# Altium PCB MainBoard_Layout_V2.PcbDoc (part 2 of 4)
Units mil, origin at the board's own origin, x right, y up, seen from the top; angles counter-clockwise.
Board outline 6119.77 x 4182.8 mil, 4 copper layers (Top Layer 1, Top Layer, Bottom Layer, Bottom Layer 1), stack 19.156 mil thick; 239 components, 227 nets, 1028 pads, 670 vias.
Unrouted connection lines stored in the file: 2.
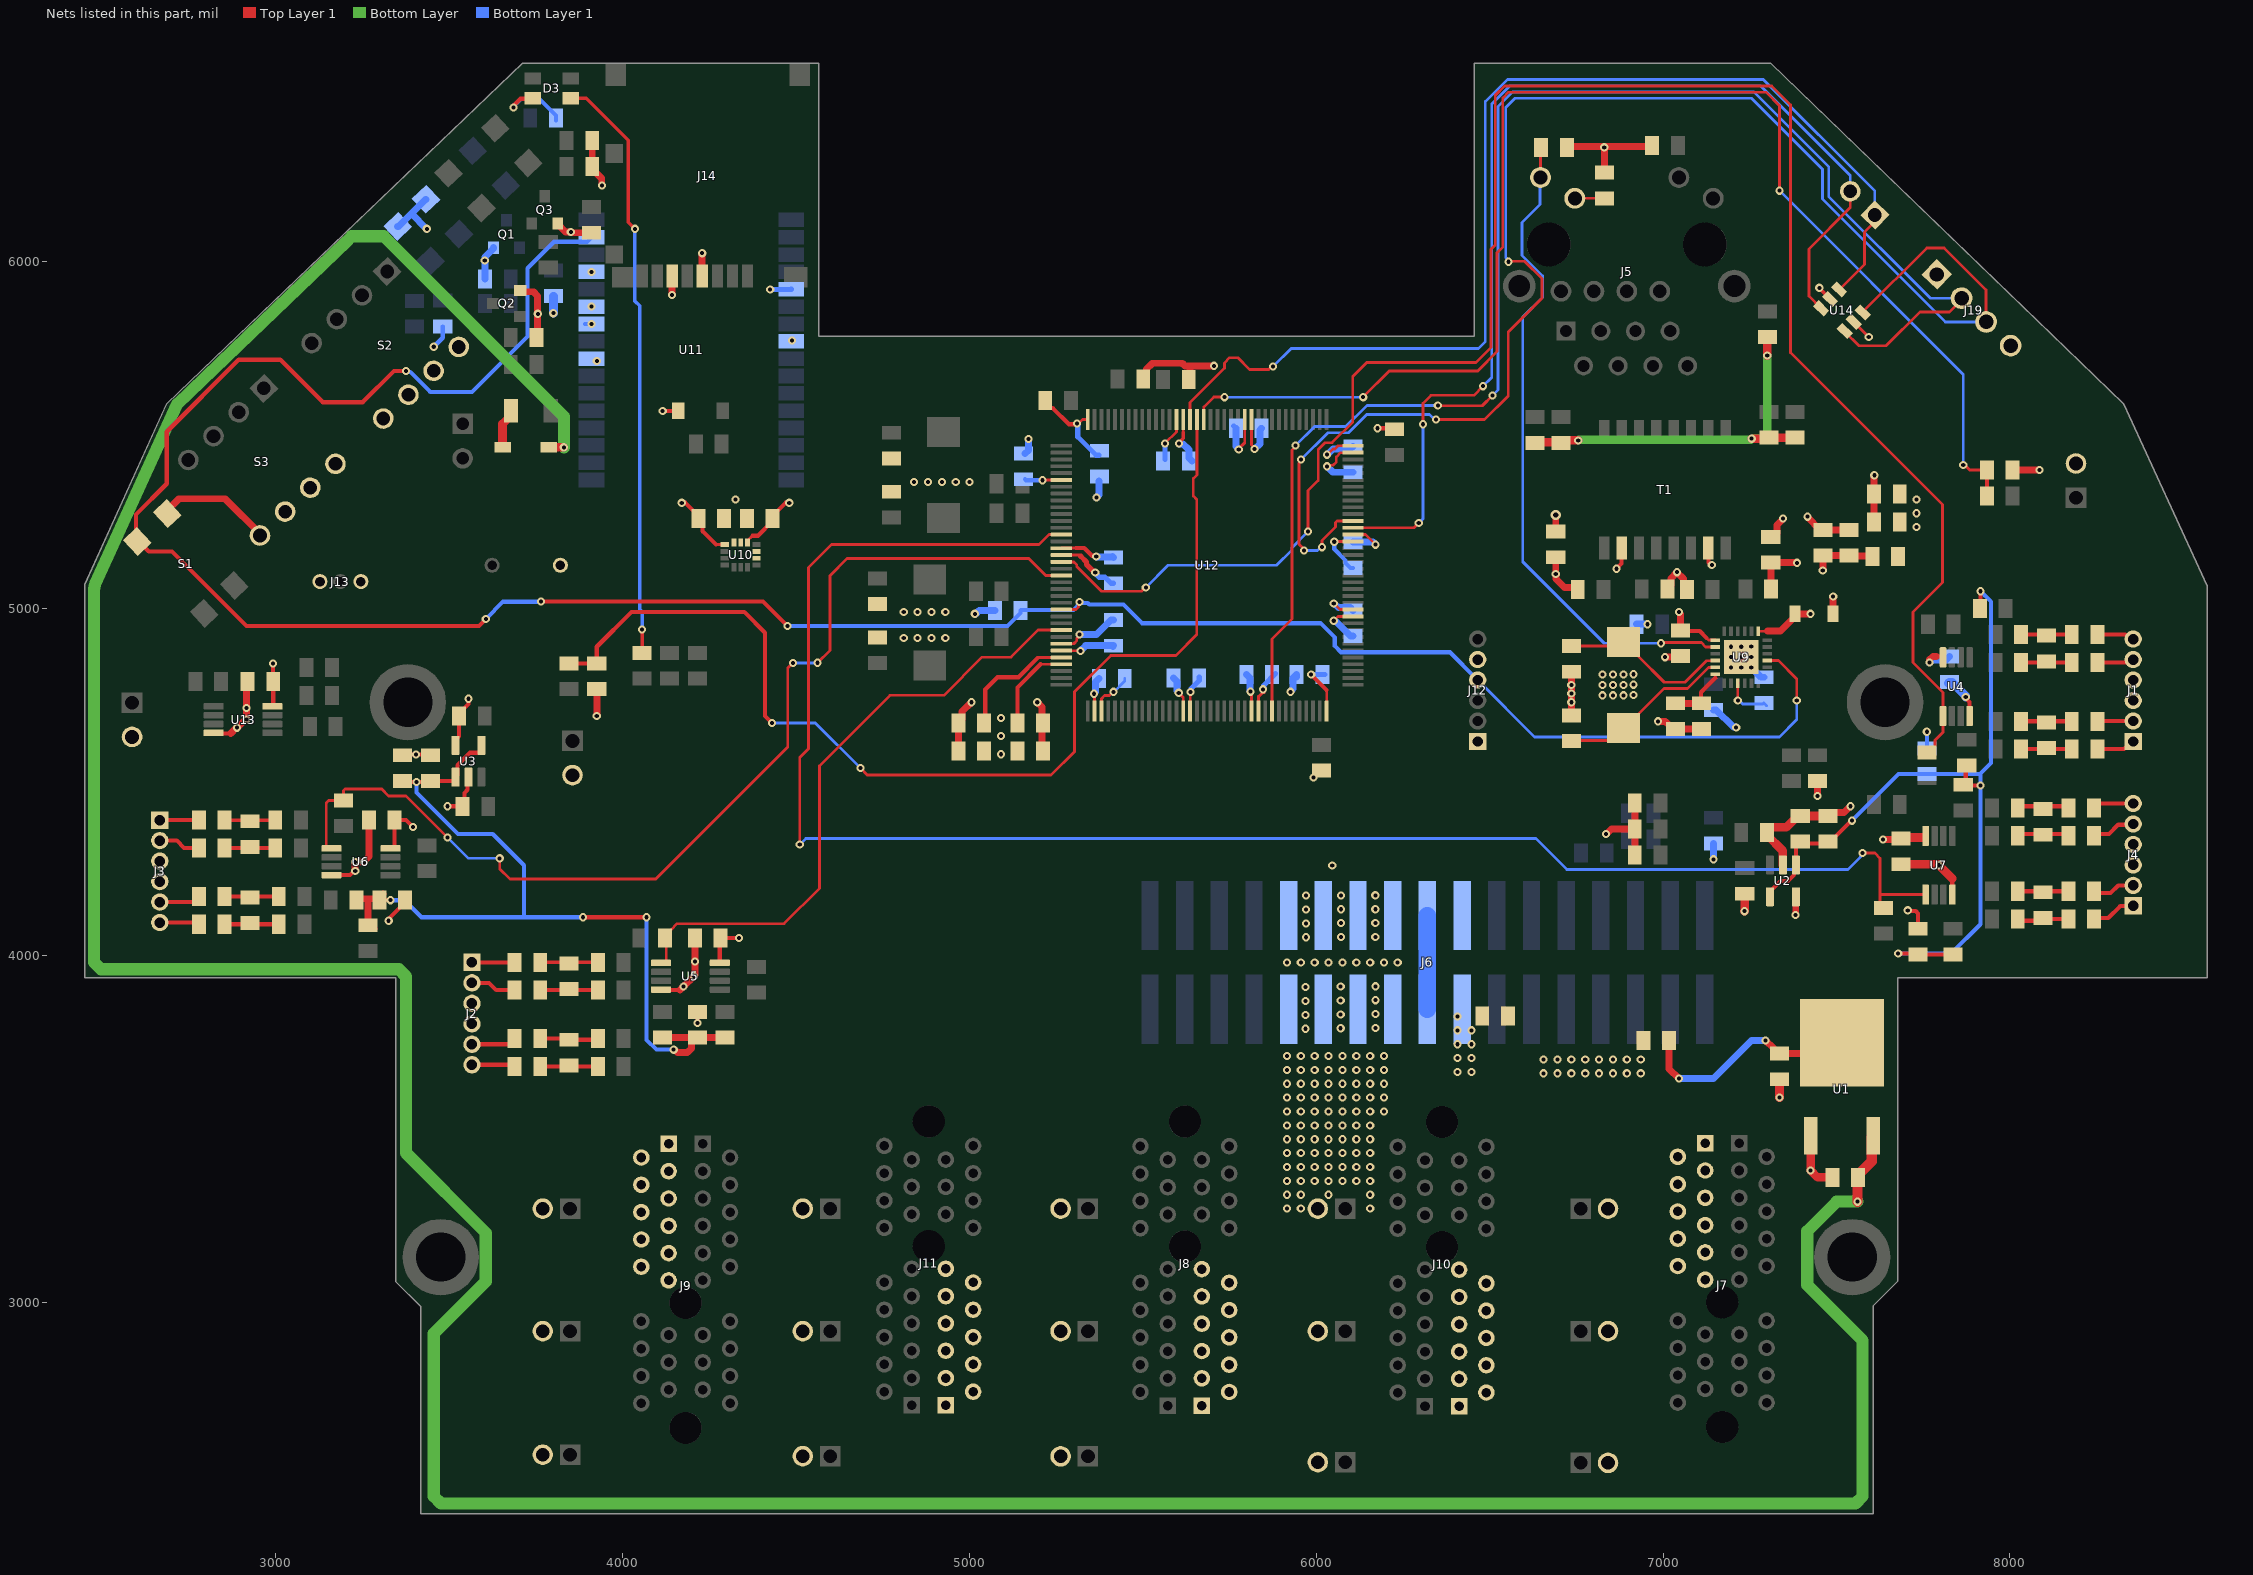
[diagram p4: the nets of this part, all layers, seen from the top]

## Part data (continued)
U13: "MAX 6685 Thermistor - SPI converter, 8bit", Supplier Part Number 1=MAX6682MUA+-ND, Supplier 1=Digi-Key
XTAL1 XTAL2: library part "XTAL 25MHZ 8PF SMD", "25MHz ±50ppm Crystal 8pF 70 Ohms 2-SMD, No Lead", Frequency=25MHz, Load Capacitance=8pF, Package="2-SMD, No Lead", Supplier Part Number 1=644-1041-1-ND, Digikey=644-1041-1-ND, Digikey Link=https://www.digikey.ca/product-detail/en/ndk-america-inc/NX5032GA-25.000000MHZ-LN-CD-1/644-1041-1-ND/1128913, ESR="70 Ohms", MF="NDK America, Inc.", MP=NX5032GA-25.000000MHZ-LN-CD-1, Price="0.95 CAD", Supplier 1=Digi-Key
XTAL3: library part "XTAL 32.7680KHZ 12.5PF SMD", "32.768kHz ±20ppm Crystal 12.5pF 70 kOhms 2-SMD, No Lead", Frequency=32.768kHz, Load Capacitance=12.5pF, Package="2-SMD, No Lead", Supplier Part Number 1=644-1156-1-ND, ComponentLink1Description=Digikey, ComponentLink1URL=https://www.digikey.ca/en/products/detail/ndk-america-inc/NX3215SA-32-768K-STD-MUA-8/2261469, ComponentLink2Description=Datasheet, ComponentLink2URL=https://media.digikey.com/datasheets/production/702868/1/NX3215SA-32-768K-STD-MUA-8.html, Digikey=644-1156-1-ND, Digikey Link=https://www.digikey.ca/en/products/detail/ndk-america-inc/NX3215SA-32-768K-STD-MUA-8/2261469?s=N4IgTCBcDaIGwBYEFoCMqCsc3IHIBEQBdAXyA, ESR="70 kOhms", MF="NDK America, Inc.", MP=NX3215SA-32.768K-STD-MUA-8, Price="1.04000 CAD", Supplier 1=Digi-Key

## Free pads (board coordinates)
  round 60 hole 39.37: 2(6705.46,5914.88) 2(6800.46,5914.88) 2(6895.46,5914.88) 2(6990.46,5914.88)
  round 220.47 hole 141.73: ""(3380.64,4729.88) ""(3475.46,3129.88) ""(7545.46,3129.88) ""(7640.28,4729.88)

## Via types
v1: diameter 23.62, hole 11.81, Top Layer 1 to Bottom Layer 1, tented both sides, 452 vias
v2: diameter 23.62, hole 11.81, Top Layer 1 to Bottom Layer 1, 166 vias
v3: diameter 23.62, hole 11.81, Top Layer 1 to Bottom Layer 1, tented bottom, 48 vias
v4: diameter 23.62/23.62/23.62/23.62 (per signal layer), hole 11.81, Top Layer 1 to Bottom Layer 1, 2 vias
v5: diameter 30, hole 15, Top Layer 1 to Bottom Layer 1, tented both sides, 1 vias
v6: diameter 23.62, hole 11.81, Top Layer 1 to Bottom Layer 1, tented top, 1 vias

## Nets (pads, with @x,y where several pads share a name; then routed paths per layer and width w, separated by ;. In a path a pad name is that pad's centre, name@x,y a point inside that pad or via, vN(x,y) a via of type N, cw(c..) or ccw(c..) an arc to the next point about the centre after c; other vN are vias at no path point)
3V3: C3.2 C6.2 C7.2 C8.2 C9.2 C10.2 C11.2 C12.2 C13.2 C14.2 C15.2 C16.2 C17.2 C18.2 C19.2 C20.2 C25.1 C26.1 C31.1 C34.1 C41.2 C42.2 C49.2 C75.1 C76.2 C77.2 C80.2 D3.2 J1.4 J2.4 J3.4 J4.4 J12.1 J13.1 J14.4 J19.1 L1.1 R1.2 R2.2 R3.2 R54.2 R55.2 R56.2 R58.2 R60.2 R80.1 R81.2 R83.1 R91.1 R96.2 R104.1 R105.1 U2.5 U3.5 U4.8 U5.8 U6.8 U7.8 U9.9 U10.5 U10.8 U12.6 U12.17 U12.30 U12.32 U12.33 U12.39 U12.52 U12.62 U12.72 U12.84 U12.95 U12.108 U12.121 U12.131 U12.144 U13.8 U14.5 | length 5037.6
  Top Layer 1 w8: 4271.28,5184.4 U10.8@4291.9,5184.4 ; U10.8@4291.9,5187.29 U10.8@4294.79,5184.4 ; U10.5@4360.15,5190.7 4360.46,5191.02 4360.46,5196.14 4374.2,5209.88 ; 5196.58,4857.26 5198.45,4859.13 U12.32@5264.99,4859.13 ; 5205.03,4839.44 U12.33@5264.99,4839.44 ; v1(5210.46,5369.88) 5211.35,5370.77 5264.81,5370.77 U12.6@5264.99,5370.94 ; U12.30@5264.99,4898.5 5265.16,4898.67 5300.69,4898.67 5309.7,4907.68 5309.7,4913.66 5317.46,4921.42 v1(5317.46,4925.65) ; U12.17@5291.7,5154.58 5291.52,5154.4 U12.17@5264.99,5154.4 5265.16,5154.23 5317.58,5154.23 5320.96,5150.86 ; v1(5310.29,5533.54) 5314.63,5533.54 5326.18,5545.09 5339.46,5545.09 5339.72,5545.35 U12.144@5340.97,5545.35 ; U12.39@5380.34,4704.4 5380.52,4704.58 5380.52,4740.1 5389.52,4749.11 5402.96,4749.11 5413.73,4759.88 v1(5415.46,4759.88) ; v1(5564.11,5475.66) 5564.11,5477.06 5596.7,5509.65 U12.131@5596.7,5545.18 ; U12.52@5636.25,4704.4 5636.25,4730.94 5636.42,4731.11 5636.42,4758.6 v1(5637.31,4759.48) ; v1(5776.57,5458.76) 5776.57,5460.99 5793.73,5478.14 U12.121@5793.73,5545.35 U12.121@5793.9,5545.18 ; U12.62@5833.1,4704.4 5833.1,4747.11 5835.18,4747.11 5845.18,4757.11 v1@5849.51,4757.11 ; U12.72@6029.95,4704.4 6029.95,4764.36 ; v1(6031.27,5443.71) 6031.66,5443.71 6048.3,5460.36 6053.96,5460.36 6063.22,5469.62 6105.68,5469.62 U12.108@6105.93,5469.36 ; v1(6050.46,5014.88) 6068.24,4997.1 6105.76,4997.1 U12.84@6105.93,4996.92 ; U12.95@6105.93,5213.46 6106.11,5213.29 6142.05,5213.29 v2(6171.11,5184.22) ; v1(7215.46,4734.88) 7215.54,4734.95 7215.54,4784.99 U9.9@7215.62,4785.07 ; U14.5@7549.57,5827.06 7593.05,5783.57 v1(7593.05,5783.45)
  Top Layer 1 w12: v1(2991.51,4841.95) 2991.51,4790.82 C75.1@2992.46,4789.88 2992.46,4721.71 2995.91,4718.26 U13.8@3000.11,4718.26 ; U6.8@3330.11,4308.26 3339.01,4308.26 3342.46,4311.71 C31.1@3342.46,4389.88 3375.46,4389.88 v1(3395.46,4369.88) ; U3.5@3518.06,4605.74 3518.06,4621.29 3528.46,4631.69 R3.2@3528.46,4689.88 3528.46,4697.38 3555.46,4724.38 v1(3555.46,4739.88) ; v1(3685.46,6444.88) 3685.46,6449.88 3705.46,6469.88 3738.89,6469.88 D3.2@3740.34,6471.33 ; v1(4170.46,5304.88) 4180.96,5304.88 4218.46,5267.38 C76.2@4218.46,5259.88 4230.63,5247.7 4230.63,5223.09 4269.01,5184.72 ; U5.8@4280.11,3978.26 4280.11,4047.52 C26.1@4282.46,4049.88 v1(4335.46,4049.88) ; 4374.2,5209.88 4389.96,5209.88 4432.46,5252.38 C77.2@4432.46,5259.88 4432.46,5267.38 4469.96,5304.88 v1(4480.46,5304.88) ; C17.2@5042.46,4669.88 5045.46,4672.88 5045.46,4766.59 5080.74,4801.88 5141.2,4801.88 5196.58,4857.26 ; C20.2@5138.46,4669.88 5138.46,4772.88 5205.03,4839.44 ; R96.2@5218.46,5599.88 5218.46,5592.38 5232.46,5578.38 5239.96,5578.38 5286.84,5531.5 5308.25,5531.5 v1(5310.29,5533.54) ; v1(5985.27,4809.88) 6029.95,4765.2 6029.95,4764.36 ; 7745.46,4339.88 7753.63,4339.88 7757.07,4343.32 U7.8@7757.07,4344.52 ; 7788.46,4861.88 7804.72,4861.88 U4.8@7807.07,4859.52
  Top Layer 1 w15: 5320.96,5150.86 5337.24,5134.57 5337.24,5126.99 5337.52,5126.99 5360.37,5104.14 v1(5362.7,5104.14)
  Top Layer 1 w20: R83.1@3912.46,6272.32 3912.46,6267.38 3939.77,6240.07 3939.77,6220.57 v1(3940.46,6219.88) ; R83.1@3912.46,6277.32 R91.1@3912.46,6349.88 ; v1(4229.31,6024.66) 4229.31,5959.42 J14.4@4229.67,5959.05 ; v1(6835.46,4349.88) 6836.54,4349.88 6851.54,4364.88 R60.2@6918.46,4364.88 ; R56.2@6918.46,4289.88 R60.2@6918.46,4364.88 ; R58.2@6918.46,4439.88 R60.2@6918.46,4364.88 ; v1(7382.14,4116.56) 7382.5,4116.92 7382.5,4168.65 U2.5@7382.86,4169.01 ; v1(7445.46,4459.88) R54.2@7445.46,4502.88 ; v1(7634.25,4333.77) 7634.95,4334.47 7683.05,4334.47 C34.1@7685.46,4336.88 ; v1(7768.03,4844.31) 7768.72,4845 7768.72,4852.97 7777.63,4861.88 7788.46,4861.88
  Top Layer 1 w25: v1(7234.97,4127.52) 7235.46,4128.01 R2.2@7235.46,4177.88 ; C34.1@7685.46,4336.88 7688.46,4339.88 7745.46,4339.88
  Bottom Layer 1 w8: v1(5415.46,4759.88) 5416.75,4759.88 5447.64,4790.76 C8.2@5447.64,4798.26 ; v1(7215.46,4734.88) 7219.79,4734.88 7229.79,4724.88 7287.46,4724.88 C49.2@7290.46,4727.88 C49.2@7298.46,4719.88
  Bottom Layer 1 w12: v1@3455.67,5755.09 v1(3455.46,5754.88) 3481.32,5780.74 R1.2@3481.32,5813.74 ; v1(3685.46,6444.88) 3685.46,6448.12 3706.52,6469.18 3760.66,6469.18 3808.32,6421.52 R81.2@3808.32,6407.54 ; C18.2@5160.46,5372.88 5163.46,5369.88 v1(5210.46,5369.88)
  Bottom Layer 1 w15: v1(5310.29,5533.54) 5312.02,5531.81 5312.02,5495.32 5365.46,5441.88 C11.2@5372.96,5441.88 ; v1(5362.7,5104.14) 5362.7,5101.8 5370.46,5094.05 5370.46,5093.77 5373.88,5090.34 5390.49,5090.34 5407.96,5072.88 C3.2@5415.46,5072.88 ; C12.2@5563.46,5429.88 5563.79,5430.2 5563.79,5475.34 v1(5564.11,5475.66) ; v1(5637.31,4759.48) 5639.01,4761.19 5639.01,4768.93 5662.46,4792.38 C6.2@5662.46,4802.38 ; C10.2@5762,5526.34 C10.2@5768.46,5519.88 ; v1(5846.66,4767.11) 5848.31,4768.76 5848.31,4778.22 C13.2@5882.46,4812.38 ; v1(5985.27,4809.88) C15.2@6025.02,4809.88
  Bottom Layer 1 w20: v1(5317.46,4925.65) 5366.73,4925.65 5407.96,4966.88 C9.2@5415.46,4966.88 ; C10.2@5768.46,5519.88 5768.46,5467.96 5776.57,5459.85 v1(5776.57,5458.76) ; v1(6031.27,5443.71) 6032.25,5443.71 6048.04,5459.51 6098.44,5459.51 C14.2@6105.93,5466.99 ; v1(6050.46,5014.88) 6051.44,5014.88 6063.46,5002.86 6097.95,5002.86 C7.2@6105.93,4994.88 ; C80.2@6105.93,5191.4 6163.93,5191.4 v2(6171.11,5184.22) ; R55.2@7145.46,4322.88 7145.56,4322.77 7145.56,4277.1 v1(7145.66,4276.99) ; v1(7768.03,4844.31) 7769.01,4844.31 7776.58,4851.88 7815.46,4851.88 C25.1@7825.46,4861.88
  Bottom Layer 1 w25: v1(3800.17,5851.72) 3800.46,5852.01 R80.1@3800.46,5900.88
  other v1: 6655.46,3659.88 6695.46,3659.88 6735.46,3659.88 6775.46,3659.88 6815.46,3659.88 6855.46,3659.88 6895.46,3659.88 6935.46,3659.88 6655.46,3699.88 6695.46,3699.88 6735.46,3699.88 6775.46,3699.88 6815.46,3699.88 6855.46,3699.88 6895.46,3699.88 6935.46,3699.88 5090.64,4579.88 5090.64,4632.65 5090.64,4684.88 7730.46,5234.88 7730.46,5274.88 7730.46,5314.88
3V3_DIV2A: C22.1 C23.1 C32.1 C40.1 R26.2 R27.2 R52.2 R53.2 U2.1 U2.4 | length 2381.9
  Top Layer 1 w12: U2.4@7308.06,4169.01 7308.06,4184.56 7338.37,4214.88 7359.66,4214.88 7377.05,4232.26 7377.05,4254.93 U2.1@7382.86,4260.74 7382.86,4320.47 7380.46,4322.88 C22.1@7400.46,4322.88 ; C22.1@7395.46,4327.88 C22.1@7400.46,4322.88 ; C23.1@7455.46,4327.88 7450.46,4322.88 C22.1@7400.46,4322.88 ; C23.1@7475.46,4327.88 7482.96,4327.88 7543.54,4388.46 v2(7544.52,4388.46) ; v2(7677.9,4005.07) 7733.27,4005.07 C40.1@7735.46,4002.88 R52.2@7835.46,4002.88 ; R26.2@7875.46,4547.88 7872.54,4544.96 7872.54,4498.96 R53.2@7865.46,4491.88 7867.46,4489.88 v2(7915.46,4489.88) ; R27.2@7913.46,4999.88 7915.46,5001.88 v2(7915.46,5049.88)
  Bottom Layer 1 w12: v2(7544.52,4388.46) 7678.94,4522.88 C32.1@7760.46,4522.88 7913.46,4522.88 7915.46,4524.88 ; v2(7677.9,4005.07) 7830.65,4005.07 7915.46,4089.88 v2(7915.46,4489.88) 7915.46,4524.88 ; v2(7915.46,5049.88) 7945.46,5019.88 7945.46,4554.88 7915.46,4524.88
3V3_DIV2B: C21.1 C24.1 C33.2 C39.1 R28.2 R29.2 R50.2 R51.2 U3.1 U3.4 | length 2577.8
  Top Layer 1 w12: C39.1@3298.46,4159.88 3329.7,4159.88 v2(3330.46,4159.12) ; C24.1@3365.46,4502.88 3368.46,4499.88 v2(3405.46,4499.88) 3442.46,4499.88 C21.1@3445.46,4502.88 3512.25,4502.88 3518.06,4508.69 U3.1@3518.06,4514.01 3523.87,4519.82 3523.87,4548.29 3559.96,4584.38 3587.05,4584.38 3592.86,4590.19 U3.4@3592.86,4605.74 ; v3(3885.46,4109.88) v3(4069.1,4109.88)
  Top Layer 1 w20: R50.2@3232.46,4159.88 3235.96,4163.38 3261.6,4163.38 ; R51.2@3282.96,4076.88 3272.96,4086.88 R51.2@3265.46,4086.88 3265.46,4159.52 3261.6,4163.38 ; C39.1@3305.46,4166.88 3301.96,4163.38 3261.6,4163.38 ; C39.1@3306.26,4173.68 3306.26,4175.18 C39.1@3308.46,4177.38 ; R28.2@4115.46,3762.88 4197.96,3762.88 C33.2@4197.96,3752.88 ; v2(4147.16,3728.17) 4147.85,3727.48 4150.42,3727.48 4158.46,3719.44 4186.24,3719.44 4197.96,3731.16 C33.2@4197.96,3752.88 ; R29.2@4285.46,3762.88 C33.2@4215.46,3762.88 C33.2@4213.21,3762.88 ; C33.2@4197.96,3752.88 4207.96,3762.88 C33.2@4213.21,3762.88 ; C33.2@4197.96,3752.88 4203.21,3752.88 C33.2@4213.21,3762.88
  Bottom Layer 1 w12: v2(3330.46,4159.12) 3371.22,4159.12 3420.46,4109.88 3715.46,4109.88 ; v2(3405.46,4499.88) 3405.46,4469.88 3525.46,4349.88 3625.46,4349.88 3715.46,4259.88 3715.46,4109.88 ; v3(3885.46,4109.88) 3715.46,4109.88 ; v3(4069.1,4109.88) 4069.1,3756.23 4097.16,3728.17 v2(4147.16,3728.17)
3V3_PWR_BRD: J6.19 J6.20 R105.2
  other v1: 6407.44,3663.9 6447.44,3663.9 6407.44,3703.9 6447.44,3703.9 6407.44,3743.9 6447.44,3743.9 6407.44,3783.9 6447.44,3783.9 6407.44,3823.9
3V3_USB_CHRG: C2.1 R104.2 U1.2 | length 669
  Top Layer 1 w20: R104.2@7017.46,3754.88 7017.46,3672.88 v2(7045.46,3644.88) ; v2(7295.46,3754.88) 7317.96,3732.38 7317.96,3726.88 7327.96,3716.88 C2.1@7335.46,3716.88 7484.46,3716.88 U1.2@7515.46,3747.88
  Bottom Layer 1 w20: v2(7045.46,3644.88) 7145.46,3644.88 7255.46,3754.88 v2(7295.46,3754.88)
5V_PWR_BRD: J6.17 J6.18 | length 270
  Bottom Layer 1 w50: J6.17@6320.46,3844.88 J6.18@6320.46,4114.88
5V_USB_CHRG: C1.1 D1.C U1.3 | length 11254.5
  Top Layer 1 w25: D1.C@3786.46,5467.38 3788.96,5464.88 v2(3830.46,5464.88)
  Top Layer 1 w30: v2(7560.46,3289.88) C1.1@7560.46,3365.38 ; C1.1@7562.46,3359.88 7562.46,3367.38 7601.17,3406.08 7601.17,3475.58 U1.3@7605.46,3479.88
  Bottom Layer w35: v2(3830.46,5464.88) 3830.46,5553.94 3311.03,6073.38 3218.96,6073.38 3205.84,6060.25 3205.59,6060.01 3205.21,6059.63 2715.4,5589.12 2478.61,5069.66 2475.46,5055.14 2475.46,3980.38 2495.96,3959.88 3354.96,3959.88 3375.46,3939.37 3375.46,3429.88 3605.46,3199.88 3605.46,3059.88 3455.46,2909.88 3455.46,2440.38 3475.96,2419.88 7554.96,2419.88 7575.46,2440.38 7575.46,2889.88 7415.46,3049.88 7415.46,3204.88 7500.46,3289.88 v2(7560.46,3289.88)
COS_A: R9.1 U5.1 U12.28 | length 1805.9
  Top Layer 1 w8: U5.1@4110.82,3978.26 4120.01,3978.26 4125.46,3983.71 4125.46,4046.88 R9.1@4122.46,4049.88 4122.46,4057.38 4138.46,4073.38 4138.96,4073.38 4156.96,4091.38 4465.57,4091.38 4567.52,4193.33 4567.52,4546.48 4770.92,4749.88 4926.35,4749.88 5036.35,4859.88 5120,4859.88 5198,4937.87 U12.28@5264.99,4937.87
COS_B: R35.1 U7.1 U12.14 | length 5043.9
  Top Layer 1 w8: v3(4510.73,4319.31) 4510.73,4570.53 4536.13,4595.93 4536.13,5118.07 4602.46,5184.4 5200.41,5184.4 5229.29,5213.29 5264.81,5213.29 U12.14@5264.99,5213.46 ; v2(7575.4,4294.88) 7610.46,4294.88 7625.46,4279.88 7625.46,4175.23 ; R35.1@7635.46,4136.88 7625.46,4146.88 7625.46,4175.23 ; U7.1@7757.07,4175.23 7625.46,4175.23
  Bottom Layer 1 w8: v3(4510.73,4319.31) 4528.21,4336.8 6633.54,4336.8 6722.46,4247.88 7533.46,4247.88 7569.09,4283.51 7569.09,4284.34 7575.4,4290.65 v2(7575.4,4294.88)
COS_C: R6.1 U4.1 U12.18 | length 5506.7
  Top Layer 1 w8: U12.18@5264.99,5134.72 5265.16,5134.55 5300.69,5134.55 5309.7,5125.54 5309.7,5120.64 5380.46,5049.88 5496.07,5049.88 5506.93,5060.73 v1(5508.57,5060.73) ; v1(5976.27,5222) 5976.27,5339.92 6005.46,5369.11 6005.46,5457.94 6025.83,5478.3 6045.87,5478.3 6105.46,5537.89 6105.46,5669.88 6145.46,5709.88 6460.92,5709.88 6503.46,5752.42 6503.46,6035.88 6515.96,6048.38 6515.96,6479.92 6542.92,6506.88 7313,6506.88 7367.46,6452.42 7367.46,5737.88 7805.46,5299.88 7805.46,5074.88 7720.46,4989.88 7720.46,4844.88 7807.07,4758.26 U4.1@7807.07,4690.23 7807.07,4643.49 7783.96,4620.38 7783.96,4600.88 R6.1@7780.18,4597.09
  Bottom Layer 1 w8: v1(5508.57,5060.73) 5572.72,5124.88 5885.88,5124.88 5929.58,5168.57 5929.58,5175.31 v1(5976.27,5222)
COS_D: R30.1 U6.1 U12.20 | length 3084.3
  Top Layer 1 w8: U6.1@3160.82,4308.26 3150.91,4308.26 3145.46,4313.71 3145.46,4439.88 3152.46,4446.88 R30.1@3195.46,4446.88 3195.46,4475.19 3200.15,4479.88 3305.46,4479.88 3325.46,4459.88 3375.46,4459.88 v2(3495.46,4339.88) ; v2(3645.46,4279.88) 3645.46,4249.88 3675.46,4219.88 4095.46,4219.88 4476.23,4600.64 4476.23,4828.2 v3(4490.87,4842.84) ; v3(4561.94,4843.72) 4597.67,4879.45 4597.67,5094.61 4647.41,5144.35 5170.99,5144.35 5219.99,5095.35 U12.20@5264.99,5095.35
  Bottom Layer 1 w8: v2(3495.46,4339.88) 3555.46,4279.88 v2(3645.46,4279.88) ; v3(4490.87,4842.84) 4491.31,4843.28 4561.5,4843.28 v3(4561.94,4843.72)
ENCA_COSN: J2.1 R10.2 | length 130.1
  Top Layer 1 w12: J2.1@3565.46,3979.88 R10.2@3688.46,3979.88 ; R10.2@3680.46,3974.88 R10.2@3685.46,3979.88
ENCA_COSP: J2.2 R15.2 | length 131.7
  Top Layer 1 w12: J2.2@3565.46,3920.82 3614.52,3920.82 3635.46,3899.88 R15.2@3688.46,3899.88
ENCA_SINN: J2.5 R20.2 | length 131
  Top Layer 1 w12: J2.5@3565.46,3743.66 3674.46,3743.66 3688.46,3757.66 R20.2@3688.46,3759.88
ENCA_SINP: J2.6 R24.2 | length 125
  Top Layer 1 w12: J2.6@3565.46,3684.6 3683.74,3684.6 R24.2@3688.46,3679.88
ENCB_COSN: J4.1 R36.2 | length 128.7
  Top Layer 1 w12: R36.2@8242.46,4104.88 8245.43,4107.85 8283.43,4107.85 8318.29,4142.71 J4.1@8355.46,4142.71
ENCB_COSP: J4.2 R41.2 | length 124.1
  Top Layer 1 w12: R41.2@8242.46,4184.88 8247.46,4179.88 8290.46,4179.88 8312.35,4201.77 J4.2@8355.46,4201.77
ENCB_SINN: J4.5 R46.2 | length 125
  Top Layer 1 w12: R46.2@8242.46,4349.88 8285.46,4349.88 8312.46,4376.88 8353.4,4376.88 J4.5@8355.46,4378.93
ENCB_SINP: J4.6 R48.2 | length 116.4
  Top Layer 1 w12: R48.2@8242.46,4429.88 8250.57,4437.99 J4.6@8355.46,4437.99
ENCC_COSN: J1.1 R7.2 | length 112.1
  Top Layer 1 w12: R7.2@8252.46,4594.88 8329.43,4594.88 8332.32,4597.77 8336.46,4597.77 J1.1@8355.46,4616.77
ENCC_COSP: J1.2 R12.2 | length 103.4
  Top Layer 1 w12: R12.2@8252.46,4674.88 8253.4,4675.82 J1.2@8355.46,4675.82
ENCC_SINN: J1.5 R17.2 | length 106.4
  Top Layer 1 w12: R17.2@8252.46,4844.88 8337.07,4844.88 8345.18,4852.99 J1.5@8355.46,4852.99
ENCC_SINP: J1.6 R22.2 | length 108.3
  Top Layer 1 w12: R22.2@8252.46,4924.88 8332.34,4924.88 8345.18,4912.04 J1.6@8355.46,4912.04
ENCD_COSN: J3.1 R31.2 | length 113
  Top Layer 1 w12: J3.1@2665.46,4389.88 R31.2@2778.46,4389.88
ENCD_COSP: J3.2 R33.2 | length 121.7
  Top Layer 1 w12: J3.2@2665.46,4330.82 2714.52,4330.82 2735.46,4309.88 R33.2@2778.46,4309.88
ENCD_SINN: J3.5 R39.2 | length 121
  Top Layer 1 w12: J3.5@2665.46,4153.66 2764.46,4153.66 2778.46,4167.66 R39.2@2778.46,4169.88
ENCD_SINP: J3.6 R43.2 | length 115
  Top Layer 1 w12: J3.6@2665.46,4094.6 2773.74,4094.6 R43.2@2778.46,4089.88
GEN_DIR: J16.1 U12.129 U14.1 | length 3312.4
  Top Layer 1 w8: U12.129@5636.25,5545.35 5636.25,5594.16 5735.23,5693.14 5735.23,5708.22 5750.35,5723.34 5773.61,5723.34 5807.89,5689.07 5862.77,5689.07 5871.24,5697.53 v2(5875.46,5697.53) ; U14.1@7507.46,5918.78 7580.46,5991.78 7580.46,6085.54 7610.46,6115.54 J16.1@7610.46,6134.88
  Bottom Layer 1 w8: v2(5875.46,5697.53) 5927.81,5749.88 6467.46,5749.88 6487.46,5769.88 6487.46,6461.88 6551.14,6525.56 7288.67,6525.56 7610.46,6203.77 J16.1@7610.46,6134.88
GEN_ES1: C78.1 R101.2 U12.128 | length 3133
  Top Layer 1 w8: v3(4685.46,4539.88) 4705.46,4519.88 5235.46,4519.88 5302.84,4587.26 5302.84,4760.12 5407.59,4864.88 5595.46,4864.88 5655.46,4924.88 5655.46,5314.88 5645.46,5324.88 5645.46,5374.88 5656.11,5385.52 5656.11,5545.18 U12.128@5655.93,5545.35
  Top Layer 1 w12: R101.2@3845.46,4841.88 C78.1@3925.46,4841.88 3925.46,4889.88 4025.46,4989.88 4350.81,4989.88 4410.46,4930.23 4410.46,4689.88 v3(4430.46,4669.88)
  Bottom Layer 1 w8: v3(4430.46,4669.88) 4555.46,4669.88 v3(4685.46,4539.88)
GEN_ES2: C79.1 R102.2 U12.127 | length 3911.1
  Top Layer 1 w8: U12.127@5675.62,5545.35 5675.79,5545.52 5675.79,5581.05 5704.62,5609.88 5735.11,5609.88 v2(5735.11,5609.53) ; v2(6135.21,5609.53) 6135.21,5609.62 6210.46,5684.88 6465.46,5684.88 6521.46,5740.88 6521.46,6025.88 6537.96,6042.38 6537.96,6472.38 6554.46,6488.88 7296.46,6488.88 7335.46,6449.88 v2(7335.46,6204.88) ; v2(7865.46,5414.21) 7869.79,5414.21 7884.13,5399.88 C79.1@7933.46,5399.88
  Top Layer 1 w12: R102.2@7933.46,5324.88 C79.1@7933.46,5399.88
  Bottom Layer 1 w8: v2(5735.11,5609.53) v2(6135.21,5609.53) ; v2(7335.46,6204.88) 7865.46,5674.88 v2(7865.46,5414.21)
GEN_SPD: J16.2 U12.96 U14.3 | length 3172.9
  Top Layer 1 w8: U12.96@6105.93,5233.14 6282.26,5233.14 v2(6295.46,5246.34) ; v2(6307.75,5531.32) 6307.75,5591.71 6330.92,5614.88 6454.46,5614.88 v2(6480.84,5641.26) ; U14.3@7455.49,5865.79 7420.46,5900.82 7420.46,6036.88 7539.66,6156.07 J16.2@7539.66,6203.25
  Bottom Layer 1 w8: v2(6295.46,5246.34) 6295.46,5246.74 6307.75,5259.03 v2(6307.75,5531.32) ; v2(6480.84,5641.26) 6505.93,5666.35 6505.93,6454.89 6558.6,6507.56 7281.22,6507.56 7539.66,6249.12 J16.2@7539.66,6203.25
GENENC_A: J19.2 U12.64 U14.4 | length 4357.8
  Top Layer 1 w8: U12.64@5872.47,4704.4 5872.47,4911.88 5930.39,4969.81 5930.39,5457.19 5940.46,5467.25 v1(5940.46,5469.88) ; v2(6350.46,5585.88) 6351.46,5584.88 6478.69,5584.88 v2(6507.96,5614.15) ; U14.4@7516.47,5814.88 U14.4@7538.03,5793.32 ; U14.4@7523.46,5800.15 7523.46,5798.7 7564.52,5757.64 7643.23,5757.64 7740.46,5854.88 7825.4,5854.88 7860.46,5889.94 J19.2@7860.46,5894.88
  Bottom Layer 1 w8: v1(5940.46,5469.88) 5995.46,5524.88 6085,5524.88 6146,5585.88 v2(6350.46,5585.88) ; v2(6507.96,5614.15) 6523.93,5630.11 6523.93,6447.43 6566.05,6489.56 7261.99,6489.56 7477.39,6274.16 7477.39,6188.4 7770.92,5894.88 J19.2@7860.46,5894.88
GENENC_B: J19.3 U12.97 U14.6 | length 4385
  Top Layer 1 w8: v1(5956.39,5429.88) 5956.39,5425.55 5950.46,5419.61 5950.46,5185.55 5964.65,5171.37 v1(5964.65,5167.14) ; v1(6016.27,5176.98) 6016.27,5195.69 6055.46,5234.88 6055.46,5247.97 6060.15,5252.66 6105.76,5252.66 U12.97@6105.93,5252.83 ; v2(6345.46,5544.88) 6484.91,5544.88 6553.73,5613.69 6553.73,5798.15 6650.46,5894.88 6650.46,5951.37 6600.27,6001.56 6556.15,6001.56 v2(6554.46,5999.88) ; U14.6@7575.43,5853.96 7575.43,5854.84 7760.46,6039.88 7810.46,6039.88 7931.26,5919.08 J19.3@7931.26,5826.5
  Bottom Layer 1 w8: v1(5956.39,5429.88) 6033.39,5506.88 6092.46,5506.88 6145.46,5559.88 6326.52,5559.88 6341.52,5544.88 v2(6345.46,5544.88) ; v1(5964.65,5167.14) 6003.77,5167.14 6013.62,5176.98 v1(6016.27,5176.98) ; v2(6554.46,5999.88) 6554.46,6004.2 6546.46,6012.2 6546.46,6444.51 6573.51,6471.56 7254.53,6471.56 7459.39,6266.7 7459.39,6180.95 7813.83,5826.5 J19.3@7931.26,5826.5
GND: C1.2 C2.2 C3.1 C4.2 C5.2 C6.1 C7.1 C8.1 C9.1 C10.1 C11.1 C12.1 C13.1 C14.1 C15.1 C16.1 C17.1 C18.1 C19.1 C20.1 C21.2 C22.2 C23.2 C24.2 C25.2 C26.2 C31.2 C32.2 C33.1 C34.2 C39.2 C40.2 C41.1 C42.1 C43.2 C44.1 C45.1 C46.2 C47.1 C48.1 C49.1 C50.1 C51.1 C52.1 C54.1 C55.2 C56.2 C57.2 C58.2 C59.2 C60.2 C61.2 C62.2 C63.2 C64.2 C65.2 C66.2 C67.2 C68.2 C69.2 C70.1 C71.2 C72.2 C73.2 C74.2 C75.2 C76.1 C77.1 C78.2 C79.2 C80.1 D4.2 Dled1.2 Dled3.2 J1.3 J2.3 J3.3 J4.3 J6.9 J6.10 J6.11 J6.12 J6.13 J6.14 J6.15 J6.16 J7.B1 J7.B2 J7.B3 J7.B4 J7.B5 J7.B6 J7.B7 J7.B8 J7.B9 J7.B10 J7.B11 J8.B1 J8.B2 J8.B3 J8.B4 J8.B5 J8.B6 J8.B7 J8.B8 J8.B9 J8.B10 J8.B11 J9.B1 J9.B2 J9.B3 J9.B4 J9.B5 J9.B6 J9.B7 J9.B8 J9.B9 J9.B10 J9.B11 J10.B1 J10.B2 J10.B3 J10.B4 J10.B5 J10.B6 J10.B7 J10.B8 J10.B9 J10.B10 J10.B11 J11.B1 J11.B2 J11.B3 J11.B4 J11.B5 J11.B6 J11.B7 J11.B8 J11.B9 J11.B10 J11.B11 J12.5 J13.3 J14.6 J15.2 J17.2 J18.2 J19.4 Q1.2 Q2.2 Q3.2 R4.1 R5.1 R65.2 R67.1 R73.2 R74.2 R75.2 R86.2 R87.2 R93.2 R94.2 R95.2 S1.2 S2.1B S2.2B S2.3B S2.4B S3.1B S3.2B S3.3B S3.4B S4.N U1.1 U2.2 U3.2 U4.4 U5.4 U6.4 U7.4 U9.25 U10.2 U10.3 U10.6 U10.7 U11.5 U11.8 U11.24 U11.26 U11.27 U11.29 U12.16 U12.31 U12.38 U12.51 U12.61 U12.83 U12.94 U12.107 U12.120 U12.130 U13.4 U14.2 | length 6961.9
  Top Layer 1 w8: U12.31@5264.99,4878.81 5265.16,4878.64 5319.23,4878.64 v1(5320.5,4877.38) ; U12.16@5264.99,5174.09 5265.16,5174.26 5306.46,5174.26 ; v1(5358.93,4754.26) 5360.48,4752.7 5360.48,4704.58 U12.38@5360.66,4704.4 ; v1(5603.38,4756.99) 5616.56,4743.81 U12.51@5616.56,4704.4 ; 5616.56,5508.77 U12.130@5616.56,5545.35 ; v1(5810.01,4760.42) 5810.01,4756.09 5813.41,4752.69 U12.61@5813.41,4704.4 ; U12.120@5813.41,5545.35 5813.41,5471.25 5821.65,5463.01 v1(5821.65,5459.88) ; v1(6031.27,5410.09) 6034.26,5413.08 6048.08,5413.08 6057.85,5422.85 6057.85,5437.12 6070.23,5449.51 6105.76,5449.51 U12.107@6105.93,5449.68 ; v1(6050.46,4964.88) 6062.82,4977.24 U12.83@6105.93,4977.24 ; v1(6051.77,5192.67) 6052.7,5193.6 6105.76,5193.6 U12.94@6105.93,5193.77
  Top Layer 1 w10: v1(5604.11,5475.66) 5604.11,5478.53 5616.56,5490.98 5616.56,5508.77 ; v1(7450.46,5924.88) 7450.46,5924.17 7479.48,5895.16 U14.2@7481.48,5895.16
  Top Layer 1 w12: U13.4@2820.82,4641.49 2822.43,4639.88 2870.03,4639.88 ; U6.4@3160.82,4231.49 3160.96,4231.63 3213.69,4231.63 3225.72,4243.66 v1(3228.96,4243.66) ; v1(3325.46,4099.88) 3327.76,4102.17 3327.76,4107.67 3372.46,4152.38 C39.2@3372.46,4159.88 ; C24.2@3365.46,4576.88 3368.18,4579.6 v1(3404.36,4579.6) 3442.74,4579.6 C21.2@3445.46,4576.88 ; v1(3495.46,4429.88) R5.1@3538.46,4429.88 3543.93,4435.35 3543.93,4468.35 3553.08,4477.49 3553.08,4511.63 U3.2@3555.46,4514.01 ; U5.4@4110.82,3901.49 4112.43,3899.88 4165.46,3899.88 ; v1(4115.46,5569.88) D4.2@4160.46,5569.88 ; J9.B1@4132.51,3456.57 4132.51,3456.92 J9.B1@4145.46,3469.88 ; v1(4215.46,3804.69) C33.1@4215.46,3836.88 ; 5306.46,5174.26 5306.55,5174.36 5330.98,5174.36 5353.16,5152.17 5363.16,5152.17 v1(5365.46,5149.88) ; v1(5992.21,4513.13) 5993.96,4514.88 5993.96,4518.88 6007.96,4532.88 C4.2@6015.46,4532.88 ; C66.2@5996.07,3269.88 C66.2@6004.54,3269.88 ; v1(6176.48,5519.88) 6222.46,5519.88 C5.2@6225.46,5516.88 ; v1(7705.46,4129.88) 7707.68,4127.65 7728.43,4127.65 7735.46,4120.62 C40.2@7735.46,4076.88 ; U7.4@7833.85,4175.23 7833.85,4221.49 ; v1(7872.65,4744.88) 7872.65,4741.73 7883.7,4730.68 U4.4@7883.7,4693.6
  Top Layer 1 w20: S1.2@2683.2,5279.6 2720.22,5316.62 2853.37,5316.62 2956.79,5213.2 S3.4B@2965.47,5204.52 ; 2870.03,4639.88 2870.12,4639.88 2886.75,4656.51 v1(2887.83,4656.51) 2888.92,4656.51 2911.52,4679.11 2914.69,4679.11 v1(2915.46,4679.88) 2915.28,4680.06 2915.28,4713.01 v1(2915.1,4713.19) 2915.49,4713.58 2915.49,4786.91 C75.2@2918.46,4789.88 ; v1(3228.96,4243.66) 3228.83,4243.79 v1(3228.83,4268.88) 3229.19,4269.25 3253.93,4269.25 v1(3254.3,4269.61) 3254.3,4270.7 3268.46,4284.86 C31.2@3268.46,4389.88 ; Q2.2@3704.83,5917.28 3708.66,5913.45 3742.98,5913.45 3754.69,5901.73 3754.69,5851.62 3755.46,5850.86 v1(3755.46,5849.88) 3754.69,5849.11 3754.69,5784.33 R87.2@3751.39,5781.02 ; Q3.2@3812.86,6110.51 3812.86,6108.54 3835.23,6086.17 3849.9,6086.17 v1(3850.59,6085.48) ; v1@3852.27,6084.78 3853.45,6083.6 R93.2@3909.81,6083.6 ; v1(3925.46,4689.88) C78.2@3925.46,4767.88 ; v1(4142.43,5903.72) 4142.74,5904.04 4142.74,5958.73 J14.6@4143.06,5959.05 ; 4165.46,3899.88 v1(4175.46,3909.88) v1(4205.46,3939.88) ; v1@4208.46,3942.88 v1@4206.77,3941.18 ; C26.2@4208.46,4049.88 v1(4208.5,3981.99) 4208.5,3944 v1@4206.23,3941.72 ; C16.1@4968.46,4589.88 C17.1@4968.46,4669.88 ; C17.1@4968.46,4677.38 C17.1@4968.46,4669.88 ; v1(5005.46,4729.88) 4978.46,4702.88 4978.46,4679.88 C17.1@4968.46,4669.88 ; v1(5195.46,4729.88) 5209.68,4715.66 5209.68,4672.66 C20.1@5212.46,4669.88 5209.36,4666.78 5209.36,4592.98 C19.1@5212.46,4589.88 ; R95.2@5500.97,5661.37 5510.97,5671.37 5510.97,5690.71 5527.64,5707.38 5613.53,5707.38 5621.03,5699.88 5635.46,5699.88 ; R94.2@5632.46,5659.88 5635.46,5662.88 5635.46,5699.88 ; v1(5705.46,5699.88) 5635.46,5699.88 ; C50.1@6690.46,5221.88 v5(6690.46,5269.88) ; R74.2@6722.46,6329.88 6724.96,6332.38 v1@6830.46,6332.38 ; C54.1@6735.46,4691.88 v1(6735.46,4729.88) v1(6735.46,4754.88) v1(6735.46,4779.88) C52.1@6735.46,4817.88 ; R73.2@6830.46,6256.88 v1(6830.46,6329.88) v1@6830.46,6332.38 ; R75.2@6968.46,6334.88 6965.96,6332.38 v1@6830.46,6332.38 ; v1(6985.46,4674.88) 7006.24,4674.88 7017.96,4663.16 7017.96,4662.88 7027.96,4652.88 C48.1@7035.46,4652.88 C47.1@7110.46,4652.88 ; v1(7005.46,4859.88) 7047.46,4859.88 C46.2@7050.46,4862.88 ; C51.1@7310.46,5206.88 7317.96,5206.88 7327.96,5216.88 7327.96,5241.29 7345.46,5258.79 v1(7345.46,5259.88) ; v1(7416.46,5264.88) 7416.46,5263.38 7452.96,5226.88 C44.1@7460.46,5226.88 C45.1@7535.46,5226.88 ; C23.2@7475.46,4401.88 7485.46,4411.88 7521.48,4411.88 7539.48,4429.88 v1(7540.46,4429.88) ; C43.2@7490.46,4984.88 v1(7490.46,5034.88) ; C42.1@7608.46,5249.88 C41.1@7608.46,5329.88 7608.74,5330.16 7608.74,5383.97 v1(7609.02,5384.25) ; C79.2@8007.46,5399.88 v1(8085.46,5399.88) ; v1(4205.46,3939.88) v1@4206.77,3941.18 ; v1(4205.46,3939.88) 4205.46,3940.96 v1@4206.23,3941.72 ; v1@4206.23,3941.72 v1@4206.77,3941.18
  Top Layer 1 w25: v1(7335.46,3589.88) C2.2@7335.46,3642.88 ; U2.2@7345.46,4260.74 7344.77,4261.43 7344.77,4302.07 7299.46,4347.38 R4.1@7299.46,4354.88 7299.46,4361.53 7306.96,4369.03 7355.11,4369.03 7387.96,4401.88 C22.2@7395.46,4401.88 C23.2@7455.46,4401.88 ; U1.1@7425.46,3479.88 v1(7425.46,3379.88) 7445.46,3359.88 C1.2@7488.46,3359.88 ; C34.2@7685.46,4262.88 7792.46,4262.88 v1(7795.46,4259.88) 7833.85,4221.49
  Bottom Layer 1 w12: U11.26@3891.34,5820.6 v2(3909.8,5820.6) ; v1(6051.77,5192.67) 6051.77,5171.57 6084.43,5138.9 6084.43,5131.4 6098.43,5117.4 C80.1@6105.93,5117.4 ; v1(7760.46,4644.88) C32.2@7760.46,4596.88 C32.2@7763.13,4599.54
  Bottom Layer 1 w15: v1(4425.46,5919.88) 4425.82,5920.24 4485.82,5920.24 U11.5@4486.19,5920.6
  Bottom Layer 1 w20: Dled3.2@3351.25,6101.94 3353.18,6101.94 3390.62,6139.38 ; Dled1.2@3433.03,6179.85 3431.09,6179.85 3390.62,6139.38 ; v1(3435.46,6094.88) 3435.12,6094.88 3390.62,6139.38 ; R86.2@3603.46,5949.88 3603.46,6013.94 3628.06,6038.54 Q1.2@3628.06,6040.51 ; v1(5015.46,4984.88) 5018.17,4984.88 5028.17,4994.88 C70.1@5073.46,4994.88 ; C18.1@5160.46,5446.88 5169.77,5456.18 5169.77,5488.37 v1(5170.46,5489.07) ; v1(5320.5,4877.38) 5320.5,4878.36 5334.61,4892.47 5334.61,4892.88 5411.29,4892.88 5413.37,4890.79 C9.1@5415.46,4892.88 ; v1(5358.93,4754.26) 5358.93,4755.24 5363.64,4759.95 5363.64,4788.26 C8.1@5373.64,4798.26 ; v1(5365.46,5149.88) 5366.23,5149.11 5411.69,5149.11 5412.46,5149.88 C3.1@5415.46,5146.88 ; v1(5366.46,5319.88) 5366.46,5320.86 5372.96,5327.36 C11.1@5372.96,5367.88 ; C6.1@5588.46,4799.88 5598.46,4789.88 5598.46,4762.99 5603.38,4758.07 v1(5603.38,4756.99) ; v1(5604.11,5475.66) 5604.81,5474.97 5615.37,5474.97 5632.46,5457.88 5632.46,5434.32 C12.1@5641.11,5425.66 ; C13.1@5798.46,4809.88 5808.46,4799.88 5808.46,4763.05 5810.01,4761.5 v1(5810.01,4760.42) ; v1(5821.65,5459.88) 5822.38,5459.88 5837.46,5474.95 5837.46,5514.87 C10.1@5842.46,5519.88 ; v1(5925.46,4759.88) 5925.46,4760.86 5933.46,4768.86 5933.46,4799.88 C15.1@5943.46,4809.88 C15.1@5943.46,4802.38 ; v1(6031.27,5410.09) v1(6031.27,5410.09) 6048.43,5392.99 C14.1@6105.93,5392.99 ; v1(6050.46,4964.88) 6051.23,4964.11 6055.2,4964.11 6098.43,4920.88 C7.1@6105.93,4920.88 ; R67.1@6923.46,4954.88 v1(6955.46,4954.88) ; R65.2@7145.46,4707.88 7152.96,4707.88 7202.78,4658.05 7210.02,4658.05 v1(7210.71,4657.36) ; v1(7254.24,4830.6) 7282.96,4801.88 C49.1@7290.46,4801.88
  Bottom Layer 1 w25: C25.2@7822.46,4784.88 C25.2@7825.46,4787.88 7832.96,4787.88 7872.65,4748.19 v1(7872.65,4744.88)
  other v1: 5915.46,3269.88 5955.46,3269.88 6155.46,3269.88 5915.46,3309.88 5955.46,3309.88 6035.46,3309.88 6155.46,3309.88 5915.46,3349.88 5955.46,3349.88 5995.46,3349.88 6035.46,3349.88 6075.46,3349.88 6115.46,3349.88 6155.46,3349.88 5915.46,3389.88 5955.46,3389.88 5995.46,3389.88 6035.46,3389.88 6075.46,3389.88 6115.46,3389.88 6155.46,3389.88 5915.46,3429.88 5955.46,3429.88 5995.46,3429.88 6035.46,3429.88 6075.46,3429.88 6115.46,3429.88 6155.46,3429.88 5915.46,3469.88 5955.46,3469.88 5995.46,3469.88 6035.46,3469.88 6075.46,3469.88 6115.46,3469.88 6155.46,3469.88 5915.46,3509.88 5955.46,3509.88 5995.46,3509.88 6035.46,3509.88 6075.46,3509.88 6115.46,3509.88 6155.46,3509.88 5915.46,3549.88 5955.46,3549.88 5995.46,3549.88 6035.46,3549.88 6075.46,3549.88 6115.46,3549.88 6155.46,3549.88 6195.46,3549.88 5915.46,3589.88 5955.46,3589.88 5995.46,3589.88 6035.46,3589.88 6075.46,3589.88 6115.46,3589.88 6155.46,3589.88 6195.46,3589.88 5915.46,3629.88 5955.46,3629.88 5995.46,3629.88 6035.46,3629.88 6075.46,3629.88 6115.46,3629.88 6155.46,3629.88 6195.46,3629.88 5915.46,3669.88 5955.46,3669.88 5995.46,3669.88 6035.46,3669.88 6075.46,3669.88 6115.46,3669.88 6155.46,3669.88 6195.46,3669.88 5915.46,3709.88 5955.46,3709.88 5995.46,3709.88 6035.46,3709.88 6075.46,3709.88 6115.46,3709.88 6155.46,3709.88 6195.46,3709.88 5968.73,3788.53 6070.37,3789.89 6170.84,3790.86 5968.73,3828.53 6070.37,3829.89 6170.84,3830.86 5968.73,3868.53 6070.37,3869.89 6170.84,3870.86 5968.73,3908.53 6070.37,3909.89 6170.84,3910.86 5915.46,3979.88 5955.46,3979.88 5995.46,3979.88 6035.46,3979.88 6075.46,3979.88 6115.46,3979.88 6155.46,3979.88 6195.46,3979.88 6234.65,3979.88 5970.26,4052.26 6071.35,4052.95 6170.3,4053.13 5970.26,4092.26 6071.35,4092.95 6170.3,4093.13 5970.26,4132.26 6071.35,4132.95 6170.3,4133.13 5970.26,4172.26 6071.35,4172.95 6170.3,4173.13 6045.97,4259.37 6825.46,4749.88 6855.46,4749.88 6885.46,4749.88 6914.24,4750.6 6825.46,4779.88 6855.46,4779.88 6885.46,4779.88 6914.24,4780.6 6825.46,4809.88 6855.46,4809.88 6885.46,4809.88 6914.24,4810.6 7195.46,4829.88 7225.46,4829.88 7195.46,4859.88 7225.46,4859.88 7254.24,4860.6 7195.46,4889.88 7225.46,4889.88 7254.24,4890.6 4810.46,4914.88 4850.46,4914.88 4890.46,4914.88 4930.46,4914.88 4810.46,4989.88 4850.46,4989.88 4890.46,4989.88 4930.46,4989.88 4325.46,5314.88 4840.46,5364.88 4880.46,5364.88 4920.46,5364.88 4960.46,5364.88 5000.46,5364.88 3602.45,6003.18
  other v2: 3925.56,5713.48 4488.71,5773.13 3909.8,5870.6 3909.8,5970.6
LA: J5.9 R74.1 U9.2 | length 1924
  Top Layer 1 w8: J5.9@6646.45,6242.79 6646.44,6327.86 R74.1@6648.46,6329.88 ; v2(6993.73,4899.88) 6995.67,4901.81 7110.24,4901.81 7122.65,4889.4 U9.2@7150.66,4889.4
  Bottom Layer 1 w8: J5.9@6646.45,6242.79 6645.46,6241.81 6645.46,6164.88 6593.47,6112.88 6593.47,6017.98 6652.15,5959.31 6652.15,5896.56 6595.46,5839.88 6595.46,5134.88 6830.46,4899.88 v2(6993.73,4899.88)
LAN_VDD1A: C43.1 C44.2 C45.2 C46.1 C50.2 C51.2 L1.2 R57.1 R59.1 R61.1 R62.1 T1.2 T1.7 U9.1 U9.19 | length 1064.6
  Top Layer 1 w8: 7125.46,4914.88 7130.82,4909.51 7150.23,4909.51 U9.1@7150.66,4909.09 ; U9.19@7274.67,4934.68 7300.26,4934.68 7300.46,4934.88
  Top Layer 1 w12: v2(6865.46,5114.88) 6880.46,5129.88 T1.2@6880.46,5174.88 ; v2(7045.46,4989.88) v2@7050.46,4984.88 ; C46.1@7050.46,4936.88 7052.46,4934.88 7105.57,4934.88 7105.57,4934.77 7125.46,4914.88 ; T1.7@7130.46,5174.88 7130.46,5132.91 7137.49,5125.88 v2(7140.46,5125.88)
  Top Layer 1 w20: C50.2@6690.46,5147.88 v2(6690.46,5099.88) 6691.23,5099.11 6691.23,5085.33 6715.58,5060.97 6747.77,5060.97 R62.1@6753.87,5054.88 ; R61.1@7012.55,5055.94 7022.55,5065.94 7022.55,5086.97 v2(7040.46,5104.88) 7040.46,5103.9 7058.46,5085.9 7058.46,5064.88 R59.1@7068.46,5054.88 ; C46.1@7050.46,4936.88 v2@7050.46,4984.88 ; 7300.46,4934.88 7338.1,4934.88 7380.22,4977 C43.1@7380.22,4984.88 v2(7425.46,4984.88) ; R57.1@7311.15,5056.06 7310.8,5056.4 7310.8,5132.53 C51.2@7310.46,5132.88 7383.92,5132.88 7384.91,5131.89 v2(7385.99,5131.89) ; v2(7460.46,5109.88) C44.2@7460.46,5152.88 C45.2@7535.46,5152.88 7536.96,5151.38 7601.96,5151.38 L1.2@7603.46,5149.88
LC: J5.10 R73.1 | length 85
  Top Layer 1 w8: J5.10@6745.46,6182.95 6830.39,6182.95 R73.1@6830.46,6182.88
NetC27_1: C27.1 R7.1 R8.2 | length 148.5
  Top Layer 1 w12: R8.2@8032.46,4594.88 8102.46,4594.88 C27.1@8105.46,4597.88 8108.46,4594.88 R7.1@8178.46,4594.88
NetC27_2: C27.2 R12.1 R13.2 | length 148.5
  Top Layer 1 w8: C27.2@8102.46,4674.88 C27.2@8105.46,4671.88 C27.2@8108.46,4674.88
  Top Layer 1 w12: R13.2@8032.46,4674.88 C27.2@8102.46,4674.88 ; C27.2@8108.46,4674.88 R12.1@8178.46,4674.88
NetC28_1: C28.1 R10.1 R11.2 | length 168.5
  Top Layer 1 w10: R10.1@3762.46,3979.88 3842.46,3979.88 C28.1@3845.46,3976.88 3848.46,3979.88 R11.2@3928.46,3979.88
NetC28_2: C28.2 R15.1 R16.2 | length 166
  Top Layer 1 w12: R15.1@3762.46,3899.88 R16.2@3928.46,3899.88
NetC29_1: C29.1 R17.1 R18.2 | length 148.5
  Top Layer 1 w12: R18.2@8032.46,4844.88 8102.46,4844.88 C29.1@8105.46,4847.88 8108.46,4844.88 R17.1@8178.46,4844.88
NetC29_2: C29.2 R22.1 R23.2 | length 148.5
  Top Layer 1 w12: R23.2@8032.46,4924.88 8102.46,4924.88 C29.2@8105.46,4921.88 8108.46,4924.88 R22.1@8178.46,4924.88
NetC30_1: C30.1 R20.1 R21.2 | length 176.9
  Top Layer 1 w12: R20.1@3762.46,3759.88 3832.46,3759.88 3842.46,3749.88 C30.1@3845.46,3746.88 ; C30.1@3848.46,3759.88 C30.1@3845.46,3756.88 3925.46,3756.88 R21.2@3928.46,3759.88
NetC30_2: C30.2 R24.1 R25.2 | length 160.2
  Top Layer 1 w12: R24.1@3762.46,3679.88 C30.2@3838.46,3679.88 ; C30.2@3845.46,3682.88 3848.46,3679.88 R25.2@3928.46,3679.88
NetC35_1: C35.1 R31.1 R32.2 | length 156
  Top Layer 1 w10: R31.1@2852.46,4389.88 R32.2@2998.46,4389.88 R32.2@3008.46,4389.88
NetC35_2: C35.2 R33.1 R34.2 | length 152.7
  Top Layer 1 w12: R33.1@2855.46,4312.88 R33.1@2852.46,4309.88 2922.46,4309.88 C35.2@2925.46,4312.88 2928.46,4309.88 R34.2@2998.46,4309.88
NetC36_1: C36.1 R36.1 R37.2 | length 152.6
  Top Layer 1 w12: R37.2@8022.46,4104.88 8027.46,4099.88 8087.46,4099.88 C36.1@8095.46,4107.88 8098.46,4104.88 R36.1@8168.46,4104.88
NetC36_2: C36.2 R41.1 R42.2 | length 148.5
  Top Layer 1 w12: R42.2@8022.46,4184.88 8092.46,4184.88 C36.2@8095.46,4181.88 8098.46,4184.88 R41.1@8168.46,4184.88
NetC37_1: C37.1 R39.1 R40.2 | length 158.5
  Top Layer 1 w12: R39.1@2852.46,4169.88 2922.46,4169.88 C37.1@2925.46,4166.88 2928.46,4169.88 R40.2@3008.46,4169.88
NetC37_2: C37.2 R43.1 R44.2 | length 158.5
  Top Layer 1 w12: R43.1@2852.46,4089.88 2922.46,4089.88 C37.2@2925.46,4092.88 2928.46,4089.88 R44.2@3008.46,4089.88
NetC38_1: C38.1 R46.1 R47.2 | length 148.5
  Top Layer 1 w12: R47.2@8022.46,4349.88 8092.46,4349.88 8095.46,4352.88 8098.46,4349.88 R46.1@8168.46,4349.88
NetC38_2: C38.2 R48.1 R49.2 | length 146
  Top Layer 1 w12: R49.2@8022.46,4429.88 8095.46,4429.88 R48.1@8168.46,4429.88
NetC47_2: C47.2 C48.2 U9.6 | length 174.7
  Top Layer 1 w8: 7150.46,4799.88 7150.46,4810.47 U9.6@7150.66,4810.66
  Top Layer 1 w12: C47.2@7109.24,4726.88 7109.24,4758.66 7150.46,4799.88
  Top Layer 1 w20: C48.2@7035.46,4726.88 C47.2@7109.24,4726.88
NetC52_2: C52.2 U9.4 XTAL1.2 | length 495.7
  Top Layer 1 w8: C52.2@6735.46,4891.88 6873.44,4891.88 XTAL1.2@6885.46,4903.89 6889.4,4903.89 6928.7,4864.58 6928.7,4862.21 7003.45,4787.46 7062.91,4787.46 7125.11,4849.66 7150.29,4849.66 U9.4@7150.66,4850.03
NetC53_2: C53.2 R68.2 R69.2 R70.2 R71.2 | length 1092.2
  Top Layer 1 w25: R70.2@6638.46,5479.88 6707.46,5479.88 R69.2@6705.46,5477.88 6712.46,5484.88 v2(6755.46,5484.88) ; v2(7255.46,5489.88) 7302.46,5489.88 R68.2@7305.46,5492.88 7374.46,5492.88 7377.46,5489.88 R71.2@7380.46,5492.88 R71.2@7387.96,5492.88 ; v2(7300.46,5729.88) C53.2@7300.46,5782.88
  Bottom Layer w25: v2(6755.46,5484.88) 6757.27,5486.68 7252.27,5486.68 v2(7255.46,5489.88) 7285.46,5489.88 7300.46,5504.88 v2(7300.46,5729.88)
NetC54_2: C54.2 U9.5 XTAL1.1 | length 499.6
  Top Layer 1 w8: C54.2@6735.46,4617.88 6737.46,4619.88 6849.48,4619.88 XTAL1.1@6885.46,4655.86 ; XTAL1.1@6889.4,4655.86 6928.7,4695.17 6928.7,4695.72 7002.44,4769.46 7070.36,4769.46 7130.88,4829.98 7150.29,4829.98 U9.5@7150.66,4830.35
NetC70_2: C70.2 J12.4 S1.4 U9.15 U11.31 U12.25 | length 7539.9
  Top Layer 1 w8: U12.25@5264.99,4996.92 5265.13,4997.07 5307.19,4997.07 5314.63,5004.51 5314.63,5015.82 v1(5317.7,5018.88) ; U9.15@7300.26,4850.03 7332.32,4850.03 7385.46,4796.89 v2(7385.46,4734.88)
  Top Layer 1 w12: S1.4@2597.26,5198.07 2597.92,5198.74 2597.92,5227.96 2597.26,5228.63 2597.26,5271.67 2685.46,5359.88 2685.46,5509.88 2892.96,5717.38 3012.96,5717.38 3135.46,5594.88 3250.46,5594.88 3340.46,5684.88 v2(3375.46,5684.88) ; S1.4@2600.61,5193.26 2605.24,5193.26 2633.62,5164.88 2700.46,5164.88 2915.46,4949.88 3585.46,4949.88 v1(3605.46,4969.88) ; v1(3764.63,5020.15) 4405.19,5020.15 v3(4475.46,4949.88)
  Bottom Layer 1 w8: J12.4@6465.46,4793.93 6629.52,4629.88 7335.46,4629.88 7385.46,4679.88 v2(7385.46,4734.88)
  Bottom Layer 1 w12: v2@3374.26,5684.88 3376.56,5682.58 3387.76,5682.58 3445.46,5624.88 3565.46,5624.88 3725.46,5784.88 3725.46,5981.26 3801.87,6057.67 3896.87,6057.67 U11.31@3909.81,6070.6 ; v1(3605.46,4969.88) 3655.46,5019.88 3764.35,5019.88 v1(3764.63,5020.15) ; v3(4475.46,4949.88) 5109.96,4949.88 5147.46,4987.38 C70.2@5147.46,4994.88 5148.35,4995.77 5300.43,4995.77 5309.93,5005.27 5309.93,5006.79 5317.7,5014.55 v1@5317.7,5018.09 ; v1(5317.7,5018.88) v1@5317.7,5018.09 ; J12.4@6460.46,4793.93 6460.46,4798.93 6385.46,4873.93 6071.4,4873.93 6053.43,4891.9 6053.43,4916.9 6012.46,4957.88 5497.46,4957.88 5443.85,5011.49 5345.58,5011.49 5341.18,5015.89 5328.9,5015.89 5328.14,5016.66 5319.13,5016.66 v1@5317.7,5018.09
NetD1_A: D1.A F1.2 | length 110.2
  Top Layer 1 w25: D1.A@3653.46,5469.88 3653.46,5532.17 3677.98,5556.69 F1.2@3677.98,5569.88
NetD3_1: D3.1 R90.2 | length 1711.1
  Top Layer 1 w10: D3.1@3850.58,6471.33 3895.11,6471.33 4015.92,6350.53 4015.92,6114.42 v1(4035.46,6094.88) ; R90.2@4055.46,4871.88 4056.27,4872.69 v3(4056.27,4939.88)
  Bottom Layer 1 w10: v1(4035.46,6094.88) 4035.46,5886.75 4049.46,5872.75 4049.46,4997.59 4056.27,4990.78 v3(4056.27,4939.88)